# Altium PCB PCB.PcbDoc (continued)
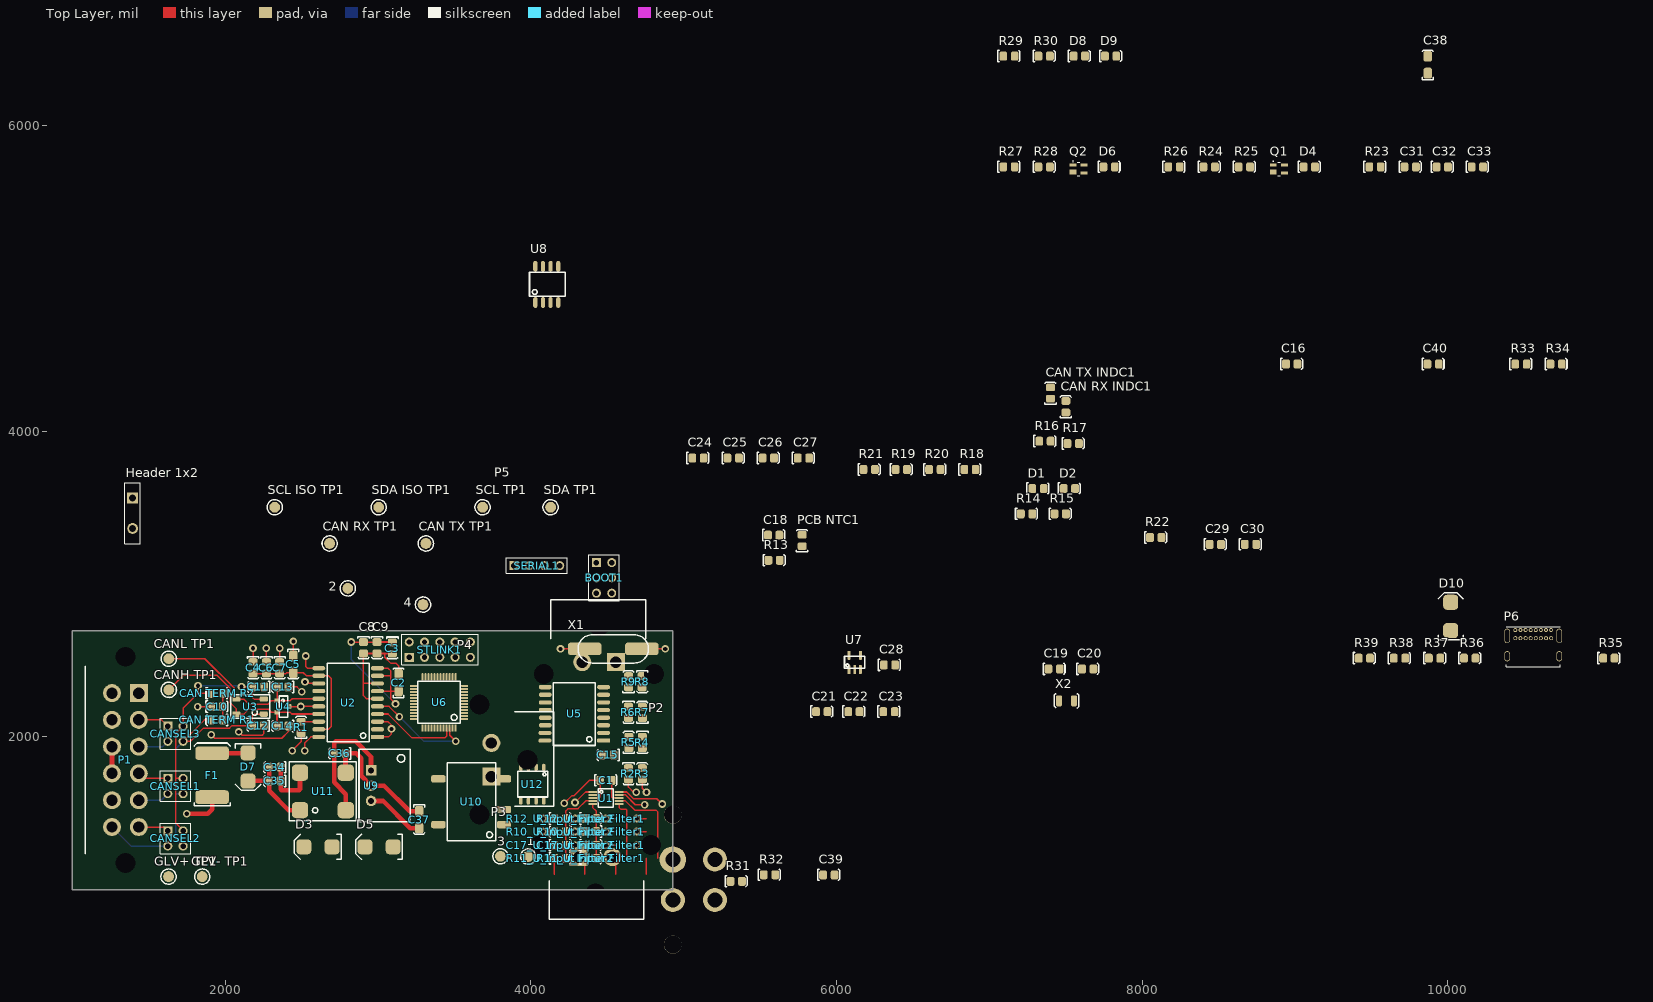
[diagram p0: Top Layer view]
## Footprints (in the part's own frame and the unit in brackets; to place one, negate y for a bottom-side part, rotate by r counter-clockwise, add the part's x,y. Pads: shape width x height; smd on the part's side, far side on the other; paste and mask are expansions set on the pad)
0805 [mil]
  rrect50% 51.18x59.06 smd: 1(-37.87,-1.03) 2(36.93,-1.03)
  silkscreen extent -73,-37 71,37, body extent -39,-26 39,26, height 29
"0805 LED" [mil]
  rrect50% 51.18x59.06 smd: A(-37.87,-1.03) K(36.93,-1.03)
  silkscreen extent -73,-37 71,37, body extent -43,-25 35,25, height 39
1206 [mm]
  rrect50% 1.8x1.4 smd: 1(-2.6,0) 2(0.2,0)
  silkscreen extent -3.7,-0.9 1.2,0.9, body extent -2.9,-0.9 0.5,0.9, height 1.85
2920 [mm]
  rrect50% 2.3x5.6 smd: 1(0,0) 2(7.3,0)
  silkscreen extent -1.4,-3 9,3, body extent -0.34,-2.81 7.64,2.81, height 1.14
"Abracon HC-49/US" [mm]
  rrect50% 5.6x2.1 smd: 1(-4.75,0) 2(4.75,0)
  silkscreen extent -5.85,-2.35 5.85,2.35, body extent -6.35,-2.35 6.35,2.35, height 4.06
"AD 8-SOIC" [mm]
  oval 0.7x1.8 smd: 1(-1.905,-3) 2(-0.635,-3) 3(0.635,-3) 4(1.905,-3) 5(1.905,3) 6(0.635,3) 7(-0.635,3) 8(-1.905,3)
  silkscreen extent -2.87,-2 3.05,2, body extent -2.5,-3.1 2.5,3.1, height 1.76
"AD 16-SOIC" [mil]
  rrect50% 28x85 smd: 1(-225,-192.02)
  oval 28x85 smd: 2(-175,-192.02) 3(-125,-192.02) 4(-75,-192.02) 5(-25,-192.02) 6(25,-192.02) 7(75,-192.02) 8(125,-192.02) 9(125,190) 10(75,189.96) 11(25,189.96) 12(-25,189.96) 13(-75,189.96) 14(-125,189.96) 15(-175,191.98) 16(-225,191.98)
  silkscreen extent -257,-138 155,138, body extent -256,-209 156,209, height 104
"AD SOIC-W 20" [mil]
  rrect50% 28x85 smd: 1(-225,-192.02)
  oval 28x85 smd: 2(-175,-192.02) 3(-125,-192.02) 4(-75,-192.02) 5(-25,-192.02) 6(25,-192.02) 7(75,-192.02) 8(125,-192.02) 9(175,-192.02) 10(225,-192.02) 11(225,192.02) 12(175,191.98) 13(125,191.98) 14(75,191.98) 15(25,191.98) 16(-25,191.98) 17(-75,191.98) 18(-125,191.98) 19(-175,191.98) 20(-225,191.98)
  silkscreen extent -257,-138 256,138, body extent -260,-210 260,210, height 105
DT13-2P [mm]
  round 3 hole 3.3 unplated: 0(-9.5,12.1) 0(-0.4,4.1) 0(8.8,12.1)
  rect 3x3 hole 1.9: 1(-3.2,10.1)
  round 3 hole 1.9: 2(2.4,10.1)
  silkscreen extent -8.13,-0.25 7.62,6.2, body extent -18.05,-19.97 17.25,16.1, height 28.72
DTF13-12P [mm]
  round 3 hole 3.3 unplated: 0(-17.145,2.22) 0(17.145,2.22)
  rect 3x3 hole 1.9: 1(-11.114,4.45)
  round 3 hole 1.9: 2(-6.664,4.45) 3(-2.214,4.45) 4(2.236,4.45) 5(6.686,4.45) 6(11.136,4.45) 7(11.136,0) 8(6.686,0) 9(2.236,0) 10(-2.214,0) 11(-6.664,0) 12(-11.114,0)
  silkscreen extent -15.56,-4.45 15.59,-4.45, body extent -20.79,-27.74 20.79,6.55, height 26.13
DTP13-4P [mm]
  round 4.4 hole 2.5: 1(-3.335,0)
  round 4 hole 2.5: 2(3.375,0) 3(3.375,6.99) 4(-3.335,6.99)
  round 3 hole 3: 5(-10.795,0) 6(10.795,0)
  body extent -27.05,-4.34 27.05,42.32, height 38.57
"EPSON 2-SMD" [mm]
  rrect50% 1x1.8 smd: 1(-1.25,0) 2(1.25,0)
  silkscreen extent -2,-1.2 2,1.2, body extent -1.5,-1 1.5,1, height 1
"ON SOT-23" [mm] "NUP2105L"
  rrect50% 0.8x0.9 smd: 1(-0.95,-1) 2(0.95,-1) 3(0,1)
  silkscreen extent -1.75,-0.65 1.75,0.75, body extent -1.5,-1.28 1.5,1.27, height 1
"RECOM 3-SIP" [mm] "12 to 42 Vdc In, 9 Vdc Out"
  rect 1.75x1.75 hole 1: 1(0,0)
  round 1.75 hole 1: 2(2.54,0) 3(5.08,0)
  silkscreen extent -3.5,-2 8.5,6.5, body extent -3.26,-2.02 8.34,6.48, height 11.41
"RECOM 8-SMD (5 Pin)" [mm]
  rrect50% 1.2x2.4 smd: 1(-3.81,-5.4) 2(-1.27,-5.4) 4(3.81,-5.4) 5(3.81,5.5) 8(-3.81,5.5)
  silkscreen extent -6.5,-4 6.5,4, body extent -6.37,-5.55 6.38,5.55, height 9.2
"RICHTEK SOT-23-5" [mil]
  rrect50% 19x58 smd: 1(-39.37,-39.37) 2(-1.97,-39.37) 3(35.43,-39.37) 4(35.43,53.63) 5(-39.37,53.63)
  silkscreen extent -69,-31 64,46, body extent -62,-51 58,67, height 57
"SMB Diode" [mm]
  rrect50% 2.5x2.5 smd: A(-0.25,0) K(4.45,0)
  silkscreen extent -1.75,-2.1 6,2.1, body extent -0.69,-1.97 4.9,1.97, height 2.5
"SMD Test Point" [mm]
  round 1.8 smd: 1(0,0)
  silkscreen extent -1.27,-1.27 1.27,1.27
SOT-343_N [mm] "SOT343, 4-Leads, Body 2x1.3 mm, Pitch 1.3mm, Lead Span 2.1mm, IPC Medium Density"
  rect 1.15x0.5 smd: 1(-0.925,0.65) 3(0.925,-0.65) 4(0.925,0.65)
  rect 1.15x0.8 smd: 2(-0.925,-0.5)
  silkscreen extent -0.97,-1.1 0.2,1.35, body extent -0.7,-1.1 0.7,1.1, height 1
"STM 48-LQFP" [mm]
  rrect50% 0.3x1.2 smd: 1(-2.75,-4.25) 2(-2.25,-4.25) 3(-1.75,-4.25) 4(-1.25,-4.25) 5(-0.75,-4.25) 6(-0.25,-4.25) 7(0.25,-4.25) 8(0.75,-4.25) 9(1.25,-4.25) 10(1.75,-4.25) 11(2.25,-4.25) 12(2.75,-4.25) 25(2.75,4.25) 26(2.25,4.25) 27(1.75,4.25) 28(1.25,4.25) 29(0.75,4.25) 30(0.25,4.25) 31(-0.25,4.25) 32(-0.75,4.25) 33(-1.25,4.25) 34(-1.75,4.25) 35(-2.25,4.25) 36(-2.75,4.25)
  rrect50% 1.2x0.3 smd: 13(4.25,-2.75) 14(4.25,-2.25) 15(4.25,-1.75) 16(4.25,-1.25) 17(4.25,-0.75) 18(4.25,-0.25) 19(4.25,0.25) 20(4.25,0.75) 21(4.25,1.25) 22(4.25,1.75) 23(4.25,2.25) 24(4.25,2.75) 37(-4.25,2.75) 38(-4.25,2.25) 39(-4.25,1.75) 40(-4.25,1.25) 41(-4.25,0.75) 42(-4.25,0.25) 43(-4.25,-0.25) 44(-4.25,-0.75) 45(-4.25,-1.25) 46(-4.25,-1.75) 47(-4.25,-2.25) 48(-4.25,-2.75)
  silkscreen extent -3.5,-3.5 3.5,3.5, body extent -4.6,-4.6 4.6,4.6, height 1.6
"TDK 4-PC Pad" [mm]
  rrect50% 1.35x0.9 smd: 1(0,0) 2(0,-2.5) 3(4.55,-2.5) 4(4.55,0)
  silkscreen extent -1,-3.2 5.5,0.7, body extent -0.02,-2.82 4.48,0.38, height 2.8
"TH 2.54mm Header 1x4" [mm]
  rect 1.5x1.5 hole 0.9: 1(0,0)
  round 1.5 hole 0.9: 2(2.54,0) 3(5.08,0) 4(7.62,0)
  silkscreen extent -1.27,-1.27 8.89,1.27
"TH 2.54mm Header 2x2" [mm]
  rect 1.5x1.5 hole 0.9: 1(0,0)
  round 1.5 hole 0.9: 2(0,2.54) 3(2.54,0) 4(2.54,2.54)
  silkscreen extent -1.27,-1.27 3.81,3.81
"TH 2.54mm Header 2x3" [mm]
  rect 1.5x1.5 hole 0.9: 1(0,0)
  round 1.5 hole 0.9: 2(0,2.54) 3(2.54,0) 4(2.54,2.54) 5(5.08,0) 6(5.08,2.54)
  silkscreen extent -1.27,-1.27 6.35,3.81
"TH 2.54mm Header 2x5" [mm]
  rect 1.5x1.5 hole 0.9: 1(0,0)
  round 1.5 hole 0.9: 2(0,2.54) 3(2.54,0) 4(2.54,2.54) 5(5.08,0) 6(5.08,2.54) 7(7.62,0) 8(7.62,2.54) 9(10.16,0) 10(10.16,2.54)
  silkscreen extent -1.27,-1.27 11.43,3.81
"TH 5.08mm Header 1x2" [mm]
  rect 1.8x1.8 hole 1.2: 1(0,0)
  round 1.8 hole 1.2: 2(5.08,0)
  silkscreen extent -2.54,-1.27 7.62,1.27
"TI 8-SOIC" [mm]
  oval 1.2x0.6 smd: 1(-9.677,2.54) 2(-9.677,1.27) 3(-9.677,0) 4(-9.677,-1.27) 5(-4.089,-1.27) 6(-4.089,0) 7(-4.089,1.27) 8(-4.089,2.54)
  silkscreen extent -9,-1.78 -4.75,3.17, body extent -9.96,-1.87 -3.76,3.14, height 1.76
"TI 10-VSSOP" [mm]
  rrect50% 1.45x0.3 smd: 1(-2.2,1) 2(-2.2,0.5) 3(-2.2,0) 4(-2.2,-0.5) 5(-2.2,-1) 6(2.2,-1) 7(2.2,-0.5) 8(2.2,0) 9(2.2,0.5) 10(2.2,1)
  silkscreen extent -1.25,-1.5 1.25,1.5, body extent -2.45,-1.5 2.45,1.5, height 1.12
USB4085-GF-A [mm]
  round 0.65 hole 0.4: A1(-2.848,4.025) A4(-1.998,4.025) A5(-1.148,4.025) A6(-0.298,4.025) A7(0.552,4.025) A8(1.402,4.025) A9(2.252,4.025) A12(3.102,4.025) B1(3.102,2.675) B4(2.252,2.675) B5(1.402,2.675) B6(0.552,2.675) B7(-0.298,2.675) B8(-1.148,2.675) B9(-1.998,2.675) B12(-2.848,2.675)
  oval 0.9x2.4 hole 0.6 slot 2.1 at 90 deg: P1(-4.198,3.045) P2(4.452,3.045)
  oval 0.9x1.7 hole 0.6 slot 1.4 at 90 deg: P3(4.452,-0.335) P4(-4.198,-0.335)
  silkscreen extent -4.35,-2.07 4.6,4.58, body extent -4.39,-4.56 4.64,4.61, height 3.46
"Wurth 4-PC Pad" [mm]
  rrect50% 2.7x2.7 smd: 1(7.62,6.22) 2(0,6.22) 3(0,0) 4(7.62,0)
  silkscreen extent -1.7,-1.8 9.4,8, body extent -1.19,-1.24 8.81,7.46, height 6.2

## Part data
1 2 3 4 "CAN RX TP1" "CAN TX TP1" "CANH TP1" "CANL TP1" "GLV+ TP1" "GLV- TP1" "SCL ISO TP1" "SCL TP1" "SDA ISO TP1" "SDA TP1": library part "SMD Test Point", Angle=0, Contact=NA, Flange=No, Part Number="SMD Test Point", Pitch=0mm, Positions=1, Row Spacing=0
BOOT1: library part "TH 2.54mm Header 2x3", Angle=0, Contact=NA, Flange=No, Part Number="TH 2.54mm Header 2x3", Pitch=2.54mm, Positions=6, Row Spacing=2.54mm
C1 C3 C4 C7 C9 C15 C16 "C17_U_Input Filter1" "C17_U_Input Filter2" C18 C22 C25 C26 C27 C31 C32 C39 C40: library part GCM21BR71E104KA37L, Manufacturer=muRata, Rated Voltage=25V, Tolerance=10%, Material=X7R, Part Number=GCM21BR71E104KA37L
C2 C5: library part GCM3195C2A103JA16D, Digikey Part Number=490-4978-2-ND, Manufacturer=muRata, Rated Voltage=100V, Tolerance=5%, Material=Ceramic, Part Number=GCM3195C2A103JA16D
C6 C8 C33 C34 C35 C36: library part GRM21BR6YA106KE43L, Digikey Part Number=490-10514-6-ND, Manufacturer=muRata, Rated Voltage=50V, Tolerance=10%, Material=X5R, Part Number=GRM21BR6YA106KE43L
C10 C19 C20 C29 C30: library part GCM21B5C1H220JA37L, Manufacturer=muRata, Rated Voltage=50V, Tolerance=5%, Material=C0G, Part Number=GCM21B5C1H220JA37L
C11 C12 C13 C14: library part GCM21B5C1H101JA37L, Manufacturer=muRata, Rated Voltage=50V, Tolerance=5%, Material=C0G, Part Number=GCM21B5C1H101JA37L
C21 C23 C24: library part AC0805KKX7R8BB105, Manufacturer=YAGEO, Rated Voltage=25V, Tolerance=10%, Material=X7R, Part Number=AC0805KKX7R8BB105
C28: library part GRM21BR61A226ME51L, Digikey Part Number=490-10511-1-ND, Manufacturer=muRata, Rated Voltage=10V, Tolerance=20%, Material=X5R, Part Number=GRM21BR61A226ME51L
C37 C38: library part CC1206MKX5R7BB226, Digikey Part Number=311-1997-2-ND, Manufacturer=YAGEO, Rated Voltage=16V, Tolerance=20%, Material=Ceramic, Part Number=CC1206MKX5R7BB226
"CAN RX INDC1" "CAN TX INDC1": library part SML-MN2BCTT86C, "LED BLUE CLEAR 2012 SMD", Digikey Part Number=846-1207-1-ND, Manufacturer="ROHM Semiconductor", Colour=Blue, Digikey Link=https://www.digikey.com/product-detail/en/rohm-semiconductor/SMLMN2BCTT86C/846-1207-1-ND/6057239, Part Number=SML-MN2BCTT86C
"CAN TERM R1" "CAN TERM R2": library part RC0805FR0756RL, Manufacturer=YAGEO, Rated Voltage=0.125W, Tolerance=0.01, Material=FR-07, Part Number=RC0805FR0756RL
CANSEL1 CANSEL2 CANSEL3: library part "TH 2.54mm Header 2x2", Angle=0, Contact=NA, Flange=No, Part Number="TH 2.54mm Header 2x2", Pitch=2.54mm, Positions=4, Row Spacing=2.54mm
D1 D2 D8 D9: library part SML-210LTT86, "Red LED Indication - Discrete 1.75V 0805 (2012 Metric)", Digikey Part Number=511-1286-1-ND, Manufacturer="ROHM Semiconductor", Colour=Red, Digikey Link=https://www.digikey.com/product-detail/en/rohm-semiconductor/SML-210LTT86/511-1286-1-ND/637099, Part Number=SML-210LTT86
D3 D5 D7 D10: "1.2V_F 600V 5A SMB", Digikey Part Number=1655-1530-2-ND, Manufacturer="SMC Diode Solutions", Digikey Link=https://www.digikey.com/product-detail/en/smc-diode-solutions/SD560BTR/1655-1530-2-ND/6022620, Part Number=SD560BTR
D4 D6: library part SML-211DTT86, "Orange LED Indication - Discrete 1.75V 0805 (2012 Metric)", Digikey Part Number=511-1291-1-ND, Manufacturer="ROHM Semiconductor", Colour=Orange, Digikey Link=https://www.digikey.com/product-detail/en/rohm-semiconductor/SML-211DTT86/511-1291-1-ND/637104, Part Number=SML-211DTT86
F1: "PTC RESET FUSE 60V 1A 292", Digikey Part Number=507-2070-1-ND, Manufacturer="Littelfuse Inc.", Digikey Link=https://www.digikey.com/product-detail/en/bel-fuse-inc/0ZCF0100AF2A/507-2070-1-ND/6210547, Part Number=0ZCF0100AF2A
"Header 1x2": library part "TH 5.08mm Header 1x2", Angle=0, Contact=NA, Flange=No, Part Number="TH 5.08mm Header 1x2", Pitch=2.54mm, Positions=2, Row Spacing=5.08mm
P1: library part DTF13-12P[[/\]]DTF13-12P, Digikey Part Number=1734-1861-ND, Angle=90, Contact="Copper Alloy", Digikey Link=https://www.digikey.com.au/product-detail/en/te-connectivity-deutsch-connectors/DTF13-12PA/1734-1861-ND/9744662, Flange=No, Part Number=DTF13-12P, Pitch=4.45mm, Positions=12, Row Spacing=4.45mm
P3 P4 P5: library part DT13-2P[[/\]]DT13-2P, Digikey Part Number=1734-1452-ND, Angle=90, Contact="Copper Alloy", Digikey Link=https://www.digikey.com/product-detail/en/te-connectivity-deutsch-connectors/DT13-2P/1734-1452-ND/7220101, Flange=Yes, Part Number=DT13-2P, Pitch=4.44mm, Positions=2, Row Spacing=6.35mm
P6: "USB - C (Type - C) USB 2.0 Receptacle Connector 16 Position Through Hole, Right Angle", Digikey Part Number=2073-USB4085-GF-ACT-ND, Angle=90, Digikey Link=https://www.digikey.ee/product-detail/en/gct/USB4085-GF-A/2073-USB4085-GF-ACT-ND/9859733, Part Number=USB4085-GF-A
"PCB NTC1": library part NTCS0805E3103FLT, Digikey Part Number=BC2733CT-ND, Manufacturer="Vishay Beyschlag", Rated Voltage=210mW, Tolerance=0.01, Part Number=NTCS0805E3103FLT
Q1 Q2: "N-Channel 100V 60A (Tc) 125W (Tc) Surface Mount DPAK", Digikey Part Number=497-8806-2-ND, Manufacturer=STMicroelectronics, Digikey Link=https://www.digikey.com/product-detail/en/stmicroelectronics/STD70N10F4/497-8806-2-ND/2035599, LatestRevisionDate=29-May-2009, LatestRevisionNote="IPC-7351 Footprint Added.", PackageDescription="4-Pin SOT-343 Package 1.3 mm Pitch, 2.1 mm Lead Span", PackageReference=SOT-343, PackageVersion=Sep-2000, Part Number=STD70N10F4, Published=24-Mar-1999, Publisher="Altium Limited"
R1: library part RC0805FR070RL, Manufacturer=YAGEO, Rated Voltage=0.125W, Tolerance=0.01, Material=FR-07, Part Number=RC0805FR070RL
R2 R3 R4 R5 R6 R7 R8 R9 "R10_U_Input Filter1" "R10_U_Input Filter2" "R12_U_Input Filter1" "R12_U_Input Filter2" R13 R18 R21 R24 R27: library part RC0805FR0710KL, Manufacturer=YAGEO, Rated Voltage=0.125W, Tolerance=0.01, Material=FR-07, Part Number=RC0805FR0710KL
"R11_U_Input Filter1" "R11_U_Input Filter2": library part RC0805FR071KL, Manufacturer=YAGEO, Rated Voltage=0.125W, Tolerance=0.01, Material=FR-07, Part Number=RC0805FR071KL
R14 R15 R30: library part RC0805FR07510RL, Manufacturer=YAGEO, Rated Voltage=0.125W, Tolerance=0.01, Material=FR-07, Part Number=RC0805FR07510RL
R16 R17 R29: library part RC0805FR07680RL, Manufacturer=YAGEO, Rated Voltage=0.125W, Tolerance=0.01, Material=FR-07, Part Number=RC0805FR07680RL
R19 R20 R38 R39: library part RC0805FR075K1L, Manufacturer=YAGEO, Rated Voltage=0.125W, Tolerance=0.01, Material=FR-07, Part Number=RC0805FR075K1L
R22: library part RC0805FR0710ML, Manufacturer=YAGEO, Rated Voltage=0.125W, Tolerance=0.01, Material=FR-07, Part Number=RC0805FR0710ML
R23 R26 R35: library part RC0805FR071K5L, Manufacturer=YAGEO, Rated Voltage=0.125W, Tolerance=0.01, Material=FR-07, Part Number=RC0805FR071K5L
R25 R28: library part RC0805FR0720KL, Manufacturer=YAGEO, Rated Voltage=0.125W, Tolerance=0.01, Material=FR-07, Part Number=RC0805FR0720KL
R31 R32 R33 R34: library part RC0805FR073K3L, Manufacturer=YAGEO, Rated Voltage=0.125W, Tolerance=0.01, Material=FR-07, Part Number=RC0805FR073K3L
R36 R37: library part RC0805FR0720RL, Manufacturer=YAGEO, Rated Voltage=0.125W, Tolerance=0.01, Material=FR-07, Part Number=RC0805FR0720RL
SERIAL1: library part "TH 2.54mm Header 1x4", Angle=0, Contact=NA, Flange=No, Part Number="TH 2.54mm Header 1x4", Pitch=2.54mm, Positions=4, Row Spacing=2.54mm
STLINK1: library part "TH 2.54mm Header 2x5", Angle=0, Contact=NA, Flange=No, Part Number="TH 2.54mm Header 2x5", Pitch=2.54mm, Positions=10, Row Spacing=2.54mm
U1: "16 Bit Analog to Digital Converter 2, 4 Input 1 Sigma-Delta 10-VSSOP", Digikey Part Number=296-38849-1-ND, Manufacturer="Texas Instruments", Digikey Link=https://www.digikey.com/product-detail/en/texas-instruments/ADS1115IDGSR/296-38849-1-ND/5142969, Part Number=ADS1115
U2: "Isolated CAN Transceiver", Digikey Part Number=ADM3053BRWZ-ND, Manufacturer="Analogue Devices", Digikey Link=https://www.digikey.com/product-detail/en/analog-devices-inc/ADM3053BRWZ/ADM3053BRWZ-ND/2709332, Part Number=ADM3053
U3: "100µH @ 100kHz 2 Line Common Mode Choke Surface Mount 5.8 kOhms @ 10MHz 150mA DCR 2Ohm", Digikey Part Number=495-4598-1-ND, Inductance="100µH @ 100kHz", Manufacturer="EPCOS (TDK)", Rated Current=150mA, Digikey Link=https://www.digikey.com/product-detail/en/epcos-tdk/B82787C0104H002/495-4598-2-ND/3680998, Impedence="5.8 kOhms @ 10MHz", Material=Wirewound, Part Number=B82787C0104H002
U4: "Dual Line CAN Bus Protector", Digikey Part Number=NUP2105LT1GOSCT-ND, Manufacturer="ON Semiconductor", Digikey Link=https://www.digikey.com/product-detail/en/on-semiconductor/NUP2105LT1G/NUP2105LT1GOSCT-ND/1485001, Part Number=NUP2105L
U5: "General Purpose Digital Isolator 2500Vrms 4 Channel 1Mbps 25kV/µs CMTI 16-SOIC (0.295\", 7.50mm Width)", Digikey Part Number=ADUM1400WSRWZ-ND, Manufacturer="Analog Devices", Digikey Link=https://www.digikey.com/product-detail/en/analog-devices-inc/ADUM1400WSRWZ/ADUM1400WSRWZ-ND/1873713, Part Number=ADuM1400
U6: "ARM® Cortex®-M3 STM32F1 Microcontroller IC 32-Bit 72MHz 64KB (64K x 8) FLASH", Digikey Part Number=497-6063-ND, Manufacturer=STMicroelectronics, Digikey Link=https://www.digikey.com/product-detail/en/stmicroelectronics/STM32F103C8T6/497-6063-ND/1646338, Part Number=STM32F103C8T6
U7: "IC REG LINEAR 3.3V 300MA SOT23-5", Digikey Part Number=1028-1014-1-ND, Manufacturer=Richtek, Digikey Link=https://www.digikey.com/products/en?keywords=1028-1014-1-ND, Part Number=RT9193-33GB
U8: "4A Gate Driver Magnetic Coupling 2500Vrms 2 Channel 8-SOIC", Digikey Part Number=ADUM3221ARZ-ND, Manufacturer="Analog Devices", Digikey Link=https://www.digikey.com/product-detail/en/analog-devices-inc/ADUM3221ARZ/ADUM3221ARZ-ND/2616333, Part Number=ADUM3221ARZ
U9: "CONV DC/DC 1A 5V OUT SIP VERT", Digikey Part Number=945-1395-5-ND, Manufacturer=Recom, Digikey Link=https://www.digikey.com.au/product-detail/en/recom-power/R-78C5.0-1.0/945-1395-5-ND/2652148, Isolation=Non-Isolated, Part Number=R-78C5.0-1.0
U10: "Isolated Module DC DC Converter 1 Output 3.3V 606mA 4.5V - 5.5V Input", Digikey Part Number=945-1764-5-ND, Input Voltage=4.5V-5.5V, Manufacturer=Recom, Output Power=2W, Output Voltage=5V, Digikey Link=https://www.digikey.com/product-detail/en/recom-power/R2S-0505-HP/945-1764-5-ND/2302761, Efficiency=0.85, Isolation=Isolated, Part Number=R2S-0505/HP
U11: "120µH @ 100kHz 2 Line Common Mode Choke Surface Mount 460 Ohms @ 30MHz 2.5A DCR 25mOhm", Digikey Part Number=732-1489-1-ND, Inductance="120uH @ 100kHz", Manufacturer="Wurth Electronics Inc", Rated Current=2.5A, Digikey Link=https://www.digikey.com/product-detail/en/w-rth-elektronik/744272121/732-1489-1-ND/1639501, Impedence="460 Ohms @ 30MHz", Material=Wirewound, Part Number=744272121
U12: "I2C Digital Isolator (Multichannel)", Digikey Part Number=296-34871-1-ND, Manufacturer="Texas Instruments", Digikey Link=https://www.digikey.com/product-detail/en/texas-instruments/ISO1540DR/296-34871-1-ND/3587214, Part Number=ISO1540DR
X1: library part ABLS-16.000MHZ-B4-T, Digikey Part Number=535-10226-1-ND, Load Capacitance=18pF, Manufacturer="Abracon LLC", Digikey Link=https://www.digikey.com/product-detail/en/abracon-llc/ABLS-16.000MHZ-B4-T/535-10226-1-ND/2184261, ESR=40R, Part Number=ABLS-16.000MHZ-B4-T
X2: library part "FC-135 32.7680KA-A5", Digikey Part Number=SER4103TR-ND, Load Capacitance=12.5pF, Manufacturer=EPSON, Digikey Link=https://www.digikey.com/product-detail/en/epson/FC-135-32.7680KA-A5/SER4103TR-ND/5259895, ESR=70k, Part Number="FC-135 32.7680KA-A5"
P2: Angle=90, Flange=Yes, Part Number=DTP13-4P, Pitch=6.7mm, Positions=4

## Via types
v1: diameter 50, hole 28, Top Layer to Bottom Layer, 41 vias

## Nets (pads, with @x,y where several pads share a name; then routed paths per layer and width w, separated by ;. In a path a pad name is that pad's centre, name@x,y a point inside that pad or via, vN(x,y) a via of type N, cw(c..) or ccw(c..) an arc to the next point about the centre after c; other vN are vias at no path point)
0V: 3.1 "C17_U_Input Filter1.1" "C17_U_Input Filter2.1" "R12_U_Input Filter1.1" "R12_U_Input Filter2.1" C1.1 C15.1 C32.1 C33.1 C36.1 C37.1 C39.1 R3.1 R5.1 R7.1 R9.1 R29.1 U1.3 U5.2 U5.8 U8.5 U9.2 U10.1 U11.3 U12.5 | length 1667.5
  Top Layer w10: v1(4080,1290) 4155.2,1290 ; v1(4080,1465) 4155.2,1465 ; v1(4220,1565) 4270,1615 4285,1615 4385,1715 C1.1 4455,1714.8 4455,1605.23 4449.14,1599.37 U1.3 ; v1(4290.59,1465) 4355,1465 ; v1(4291.54,1289.68) 4291.86,1290 4355,1290 ; R3.1 4730,1663.78 v1(4757.08,1636.7)
  Top Layer w30: U11.3 2787.87,1767.01 C36.1 2857.95,1892.05 2890,1860 2890,1745 U9.2 3040,1680 3207.64,1512.36 C37.1
"0V (ISO)": 4.1 "PCB NTC1.1" BOOT1.5 BOOT1.6 C2.1 C3.1 C8.1 C9.1 C16.1 C18.1 C19.1 C20.1 C21.1 C22.1 C23.1 C24.1 C25.1 C26.1 C27.1 C28.1 C29.1 C30.1 C31.1 C38.1 C40.1 P6.A1 P6.A12 P6.B1 P6.B12 P6.P1 R14.1 R16.1 R17.1 R24.1 R27.1 R30.1 R38.2 R39.2 SERIAL1.4 STLINK1.1 U2.1 U2.3 U2.7 U2.9 U2.10 U5.9 U5.15 U6.8 U6.23 U6.35 U6.47 U7.2 U8.4 U10.4 U12.4 | length 1602.2
  Top Layer w10: v1(2825,2620) 2825.1,2619.9 2904.9,2619.9 C8.1 C9.1 2994.44,2620.27 C3.1@3093.97,2620.27 ; U2.1 3069,1999 3088.67,2018.67 v1(3088.67,2051.59) 3088.67,2076.33 3066,2099 U2.3 ; U2.7 3085,2299 ; U2.9 3085,2399 ; U2.10 3066,2449 3085,2430 3085,2399 ; v1(3115,2215) 3085,2245 3085,2299 ; C2.1@3135,2299 3085,2299 ; 3085,2299 3085,2399
  Bottom Layer w10: v1(2825,2620) 2825,2505 v1(3115,2215)
"3.3V (ISO)": BOOT1.1 BOOT1.2 C22.2 C23.2 C24.2 C25.2 C26.2 C27.2 C40.2 D1.A D2.A R33.2 R34.2 SERIAL1.1 STLINK1.7 STLINK1.8 U6.1 U6.9 U6.24 U6.36 U6.48 U7.5 U12.1
5kW: P1.8
5V: 1.1 "R10_U_Input Filter1.2" "R10_U_Input Filter2.2" C1.2 C15.2 C32.2 C33.2 C37.2 C39.2 D8.A P3.1 R2.2 R4.2 R6.2 R8.2 R31.2 R32.2 U1.1 U1.8 U5.1 U8.8 U9.3 U10.2 U12.8 | length 945.6
  Top Layer w10: v1@4078.82,1380 v1(4078.7,1380.11) 4154.13,1380.11 4154.24,1380 ; v1(4290,1380) 4354.04,1380 ; v1(4290,1570) 4358.74,1638.74 U1.1 ; C1.2 4530,1605.86 4535.86,1600 U1.8@4578.23,1600 ; R2.2 4639.1,1670.9 4673.3,1636.7 v1(4689.71,1636.7)
  Top Layer w30: U9.3 3035,1580 3212.87,1402.13 C37.2
"5V (ISO)": 2.1 C2.2 C3.2 C8.2 C9.2 C16.2 C21.2 C31.2 C38.2 D9.A D10.K R13.2 R19.2 R20.2 R35.2 U2.6 U2.8 U5.10 U5.16 U7.1 U7.3 U8.1 U10.5 | length 848.8
  Top Layer w10: U2.6 2926,2249 2905,2270 2905,2349 ; U2.8 2905,2349 ; C3.2@3093.97,2545 3045,2545 ; C2.2 3135,2464.32 3119.32,2480 3085,2480 3045,2520 3045,2545 ; 2905,2349 C8.2 C9.2 3045,2545
12V/24V: C36.2 U9.1 U11.2 | length 848.2
  Top Layer w30: U11.2 2790,1625 2713.07,1701.93 C36.2 2713.07,1958.07 2725,1970 2855,1970 2955,1870 U9.1
BOOT0: BOOT1.3 R21.1
BOOT1: BOOT1.4 R18.2
CAN1H: CANSEL1.3 P1.5 | length 207.4
  Bottom Layer w10: P1.5 1582.5,1585 CANSEL1.3
CAN1L: CANSEL1.1 P1.4 | length 203.3
  Top Layer w10: P1.4 1467.89,1727.5 CANSEL1.1
CAN2H: CANSEL2.3 P1.7 | length 416.7
  Bottom Layer w10: P1.7 1384.8,1285 CANSEL2.3
CAN2L: CANSEL2.1 P1.6 | length 200.1
  Top Layer w10: P1.6 1435.47,1409.53 1600.47,1409.53 CANSEL2.1
CAN3H: CANSEL3.3 P1.3 | length 204.1
  Bottom Layer w10: P1.3 1590.39,1935.39 CANSEL3.3
CAN3L: CANSEL3.1 P1.2 | length 206.6
  Top Layer w10: P1.2 1584.41,2110.59 CANSEL3.1
"CAN RX INDC": "CAN RX INDC1.A" U6.19
"CAN TX INDC": "CAN TX INDC1.A" U6.18
CANH: "CAN TERM R1.2" C12.2 CANSEL1.4 CANSEL2.4 CANSEL3.4 U3.1 | length 1654.4
  Top Layer w10: 1909,2110 1865,2110 CANSEL3.4 1772,1970 1859,2057 2029,2057 2045.03,2073.03 C12.2 2179.07,2136.07 2191.57,2148.57 U3.1
  Bottom Layer w10: CANSEL2.4 1677,1333 1677,1626 ; CANSEL1.4 1723.5,1626 1677,1626 ; CANSEL3.4 1677,1922 1677,1626
CANL: "CAN TERM R2.1" C11.2 CANSEL1.2 CANSEL2.2 CANSEL3.2 U3.2 | length 1673.1
  Top Layer w10: CANSEL2.2 1726,1386 1677,1435 1677,1727.5 ; CANSEL1.2 1677,1727.5 ; v1(1823,2334) 1823,2284.43 ; 1909.96,2283.97 1823.47,2283.97 1823,2284.43 ; v1(2107,2328) 2179.93,2328 C11.2 2181.07,2255.93 2190,2247 U3.2 ; 1677,1727.5 1677,2022 CANSEL3.2 1725,2186.43 1823,2284.43
  Bottom Layer w10: v1(1823,2334) 2101,2334 v1(2107,2328)
CANS: C4.1 C5.1 C6.1 C7.1 C10.1 C11.1 C12.1 C13.1 C14.1 P1.1 R1.1 U2.11 U2.13 U2.16 U2.20 U4.3 | length 2098.9
  Top Layer w10: v1(1819.97,2196.97) C10.1 ; v1(1910,2014) 1933,1991 2371.14,1991 2414.87,2034.74 C14.1 ; v1(2090,2032) 2112,2010 2243,2010 2253.87,2020.87 C12.1 ; C4.1 v1(2183,2579) ; C6.1 v1(2270,2579) ; C7.1 v1(2357,2579) ; C13.1 2470.97,2326.03 v1(2502,2295) ; U4.3 v1(2495,2198) 2495.5,2198.5 2612.5,2198.5 U2.16 ; v1@2439,1910 2498.03,1969.03 R1.1 ; C5.1 v1(2447,2624) ; v1(2522,1909) 2522,1959 2562,1999 U2.20 ; v1(2523,2359) 2533,2349 U2.13 ; v1(2527,2529) 2527,2462 2540,2449 U2.11
  other v1: 2439,1909
"Digital 1": R2.1 R3.2 U5.3
"Digital 2": R4.1 R5.2 U5.4
"Digital 3": R6.1 R7.2 U5.5
"Digital 4": R8.1 R9.2 U5.6
"Driver 1": D3.A D4.K P2.2
"Driver 2": D5.A D6.K P2.4
GLV+: D3.K D5.K R23.2 R26.2
GLV-: "GLV- TP1.1" "Header 1x2.2" C34.1 C35.1 P1.11 P2.3 U11.4 | length 384.5
  Top Layer w30: C34.1 C35.1 2362.87,1656.72 2368.73,1650.86 2484.14,1650.86 2490,1656.72 U11.4
"Green In": P1.9 P1.10 | length 175.2
  Top Layer w30: P1.9 P1.10
NetC4_2: C4.2 C5.2 C6.2 C7.2 U2.12 U2.19 | length 933.5
  Top Layer w10: C4.2 C6.2 C7.2 2397.8,2413.8 2403.17,2419.17 C5.2 2511.83,2419.17 2532,2399 U2.12 2677,2399 2695,2381 2695,2067 2677,2049 U2.19
NetC10_2: "CAN TERM R1.1" "CAN TERM R2.2" C10.2 | length 174
  Top Layer w10: 1984.76,2110 C10.2 1984.76,2283.97
NetC13_2: "CANL TP1.1" C13.2 U2.15 U3.3 U4.1 | length 1241.5
  Top Layer w10: 1633,2511 1867.28,2511 2061.28,2317 2061.28,2259.42 2073.71,2247 U3.3 2122,2247 2154.72,2214.28 2280.73,2214.28 2301.85,2235.4 U4.1 U4.1@2339.85,2235.62 ; C13.2 2339.85,2325.81 U4.1@2339.85,2235.62 ; U2.15 2439,2249 2425.62,2235.62 U4.1@2339.85,2235.62
NetC14_2: "CANH TP1.1" C14.2 U2.17 U3.4 U4.2 | length 1317.3
  Top Layer w10: 1632,2307 1729,2404 1946,2404 2032.43,2317.57 2032.43,2223.57 2074,2182 U3.4 2124.57,2148.57 2157.29,2181.29 2281.71,2181.29 2302.4,2160.6 U4.2 ; C14.2 2339.63,2072.47 U4.2 ; U2.17 2437,2149 2425.4,2160.6 U4.2
"NetC17_U_Input Filter1_2": "C17_U_Input Filter1.2" "R10_U_Input Filter1.1" "R11_U_Input Filter1.2" "R12_U_Input Filter1.2" U1.5 | length 367.1
  Top Layer w10: U1.5 4405,1537.8 4429.8,1513 4429.8,1465 4429.32,1464.52 4429.32,1380.48 4428.84,1380 4429.32,1379.52 4429.32,1290.48 4429.8,1290 4429.8,1203.97
"NetC17_U_Input Filter2_2": "C17_U_Input Filter2.2" "R10_U_Input Filter2.1" "R11_U_Input Filter2.2" "R12_U_Input Filter2.2" U1.4 | length 513.8
  Top Layer w10: 4230,1203.97 4230,1290 4229.52,1290.48 4229.52,1379.52 4229.04,1380 4229.52,1380.48 4229.52,1464.52 4230,1465 4230,1515 4245,1530 4310,1530 4360,1580 U1.4@4405,1580
NetC28_2: C28.2 U7.4
NetC34_2: C34.2 C35.2 D7.K U11.1 | length 547.1
  Top Layer w30: D7.K 2151.03,1711.03 C35.2 ; C34.2 C35.2 ; U11.1 2415,1520 2288.07,1646.93 C35.2
"NetCAN RX INDC1_K": "CAN RX INDC1.K" R17.2
"NetCAN RX TP1_1": "CAN RX TP1.1" U2.4 U6.45 | length 573.6
  Top Layer w10: U2.4 3066,2149 3220,1995 3440,1995 3450,2005 U6.45@3450,2057.68
"NetCAN TX INDC1_K": "CAN TX INDC1.K" R16.2
"NetCAN TX TP1_1": "CAN TX TP1.1" U2.5 U6.46 | length 712.1
  Top Layer w10: U2.5 3072.57,2199 v1(3140.78,2130.78) ; U6.46@3470,2057.68 3470,2010 v1(3510,1970)
  Bottom Layer w10: v1(3140.78,2130.78) 3301.57,1970 v1(3510,1970)
NetD1_K: D1.K R14.2
NetD2_K: D2.K R15.2
NetD4_A: D4.A R23.1
NetD6_A: D6.A R26.1
NetD7_A: D7.A F1.2 | length 236.1
  Top Layer w10: F1.2 F1.2@1915.33,1892.74 ; D7.A@2147.7,1892.74 D7.A
  Top Layer w30: F1.2@1915.33,1892.74 D7.A@2147.7,1892.74
NetD8_K: D8.K R29.2
NetD9_K: D9.K R30.2
NetD10_A: D10.A P6.A4 P6.A9 P6.B4 P6.B9
NetP6_A5: P6.A5 R38.1
NetP6_A6: P6.A6 P6.B6 R36.1
NetP6_A7: P6.A7 P6.B7 R37.1
NetP6_B5: P6.B5 R39.1
NetQ1_G: R25.2 U8.7
NetQ2_G: R28.2 U8.6
NetR1_2: R1.2 U2.18 | length 115
  Top Layer w10: U2.18 U2.18 R1.2@2498.07,2098.96 ; R1.2 R1.2@2498.07,2098.96
NetR18_1: R18.1 U6.20
NetR19_1: R19.1 R31.1 U6.42 U12.6
NetR20_1: "SDA TP1.1" R20.1 R32.1 U6.43 U12.7
NetR21_2: R21.2 U6.44
NetR24_2: R24.2 U6.27 U8.2
NetR27_2: R27.2 U6.28 U8.3
NetR33_1: "SCL ISO TP1.1" "SCL TP1.1" R33.1 U1.10 U12.3 | length 314.4
  Top Layer w10: U1.10 4628.99,1638.74 4672.73,1595 4825,1595 v1(4860,1560)
NetR34_1: "SDA ISO TP1.1" R34.1 U1.9 U12.2
  other v1: 4745,1555
NetU5_11: U5.11 U6.26
NetU5_12: U5.12 U6.25
NetU5_13: U5.13 U6.22
NetU5_14: U5.14 U6.21
NRST: STLINK1.2 U6.7
PC13: R15.1 U6.2
"PCB TEMP": "PCB NTC1.2" C18.2 R13.1 U6.10
"Sensor 1": "R11_U_Input Filter2.1" | length 104.8
  Top Layer w10: 4755,1100 4757.13,1102.13 4757.13,1203.97
"Sensor 2": "R11_U_Input Filter1.1" | length 104
  Top Layer w10: 4555,1100 4555,1203.97
SWCLK: STLINK1.3 U6.37
SWDIO: STLINK1.5 U6.34
"UART RX": SERIAL1.3 U6.31
"UART TX": SERIAL1.2 U6.30
USBDM: R37.2 U6.32
USBDP: R35.1 R36.2 U6.33
XTALA: C29.2 R22.2 U6.5 X1.2 | length 153
  Top Layer w10: X1.2 v1(4880,2575)
XTALB: C30.2 R22.1 U6.6 X1.1 | length 158
  Top Layer w10: v1(4195,2575) X1.1
XTALC: C19.2 U6.3 X2.1
XTALD: C20.2 U6.4 X2.2
pads on no net: "GLV+ TP1.1" "Header 1x2.1" F1.1 P1.0 P1.12 P2.1 P2.5 P2.6 P3.0 P3.2 P4.0 P4.1 P4.2 P5.0 P5.1 P5.2 P6.A8 P6.B8 P6.P2 P6.P3 P6.P4 Q1.1 Q1.2 Q1.3 Q1.4 Q2.1 Q2.2 Q2.3 Q2.4 R25.1 R28.1 STLINK1.4 STLINK1.6 STLINK1.9 STLINK1.10 U1.2 U1.6 U1.7 U2.2 U2.14 U5.7 U6.11 U6.12 U6.13 U6.14 U6.15 U6.16 U6.17 U6.29 U6.38 U6.39 U6.40 U6.41 U10.8
copper on no net: | length 2029
  Top Layer w10: 4155,1100 4155.1,1100.1 4155.1,1203.87 4155.2,1203.97 ; 4355,1100 4355,1203.97 ; v1(4490,1380) 4554.04,1380 ; v1(4490.39,1290) 4555,1290 ; v1(4490.39,1465) 4555,1465 ; 4578.23,1560 4578.23,1536.77 4590,1525 4623.94,1525 4629.8,1519.14 4629.8,1465 ; 4578.23,1580 4620,1580 4680,1520 4820,1520 4831.93,1508.07 4831.93,1465 4831.45,1464.52 4831.45,1380.48 4830.97,1380 4831.45,1379.52 4831.45,1290.48 4831.93,1290 4831.93,1203.97 ; 4578.23,1620 4619.44,1620 4684.44,1555 4745,1555 ; 4629.32,1469.42 4629.32,1380.48 4628.84,1380 4629.32,1379.52 4629.32,1290.48 4629.8,1290 4629.8,1203.97 ; v1(4695,1290) 4757.13,1290 ; v1(4695,1380) 4756.17,1380 ; v1(4695,1465) 4757.13,1465
  Top Layer w30: v1(1748.9,1496.35) 1886.35,1496.35 1915,1525 1915,1605

## Polygon pours and split planes (outlines as drawn)
GLV+ on PWR (split plane): 2779.9,2035 2779.9,1920 2779.9,1415 2780.29,1413.05 2781.4,1411.4 2783.05,1410.29 2785,1409.9 3214.9,1409.9 3214.9,1020.1 1020.1,1020.1 1020.1,2672.9 2779.9,2672.9
GLV+ on PWR (split plane): 4908.9,1020.1 3225.1,1020.1 3225.1,1415 3224.71,1416.95 3223.6,1418.6 3221.95,1419.71 3220,1420.1 2790.1,1420.1 2790.1,1914.9 4266.4,1914.9 4268.35,1915.29 4270,1916.4 4271.11,1918.05 4271.49,1920 4271.49,2469.9 4908.9,2469.9
GLV+ on PWR (split plane): 4908.9,2480.1 4266.4,2480.1 4264.45,2479.71 4262.79,2478.6 4261.69,2476.95 4261.3,2475 4261.3,1925.1 2790.1,1925.1 2790.1,2672.9 4908.9,2672.9
GLV- on GND (split plane): 4908.9,1701.31 4857.6,1752.6 4855.95,1753.71 4854,1754.1 4852.05,1753.71 4850.4,1752.6 4849.29,1750.95 4848.9,1749 4849.29,1747.05 4850.4,1745.4 4908.9,1686.89 4908.9,1020.1 1020.1,1020.1 1020.1,2672.9 1351.9,2672.9 1351.9,1866 1352.29,1864.05 1353.4,1862.4 1355.05,1861.29 1357,1860.9 2575,1860.9 2576.95,1861.29 2578.6,1862.4 2579.71,1864.05 2580.1,1866 2580.1,1944.9 2780,1944.9 2781.95,1945.29 2783.6,1946.4 2784.71,1948.05 2785.1,1950 2785.1,2672.9 4908.9,2672.9
CANS on GND (split plane): 2774.9,1955.1 2575,1955.1 2573.05,1954.71 2571.4,1953.6 2570.29,1951.95 2569.9,1950 2569.9,1871.1 1362.1,1871.1 1362.1,2672.9 2774.9,2672.9

## Other copper
PWR (plane layer: these items are gaps in the copper):
  lines w10: 2785,2035 2785,1920 4266.4,1920 4266.4,2475 4940,2475 ; 2785,2690 2785,2680 2785,1415 3220,1415 3220,1000
GND (plane layer: these items are gaps in the copper):
  lines w10: 1357,2695 1357,1866 2575,1866 2575,1950 2780,1950 2780,2689 ; 4088,2681 4089,2682 ; 4854,1749 4925,1678